# EAGLE board Mk4 Final Panel 8up 2x4 (EAGLE 9.0.1), part 2 of 23 (continued)
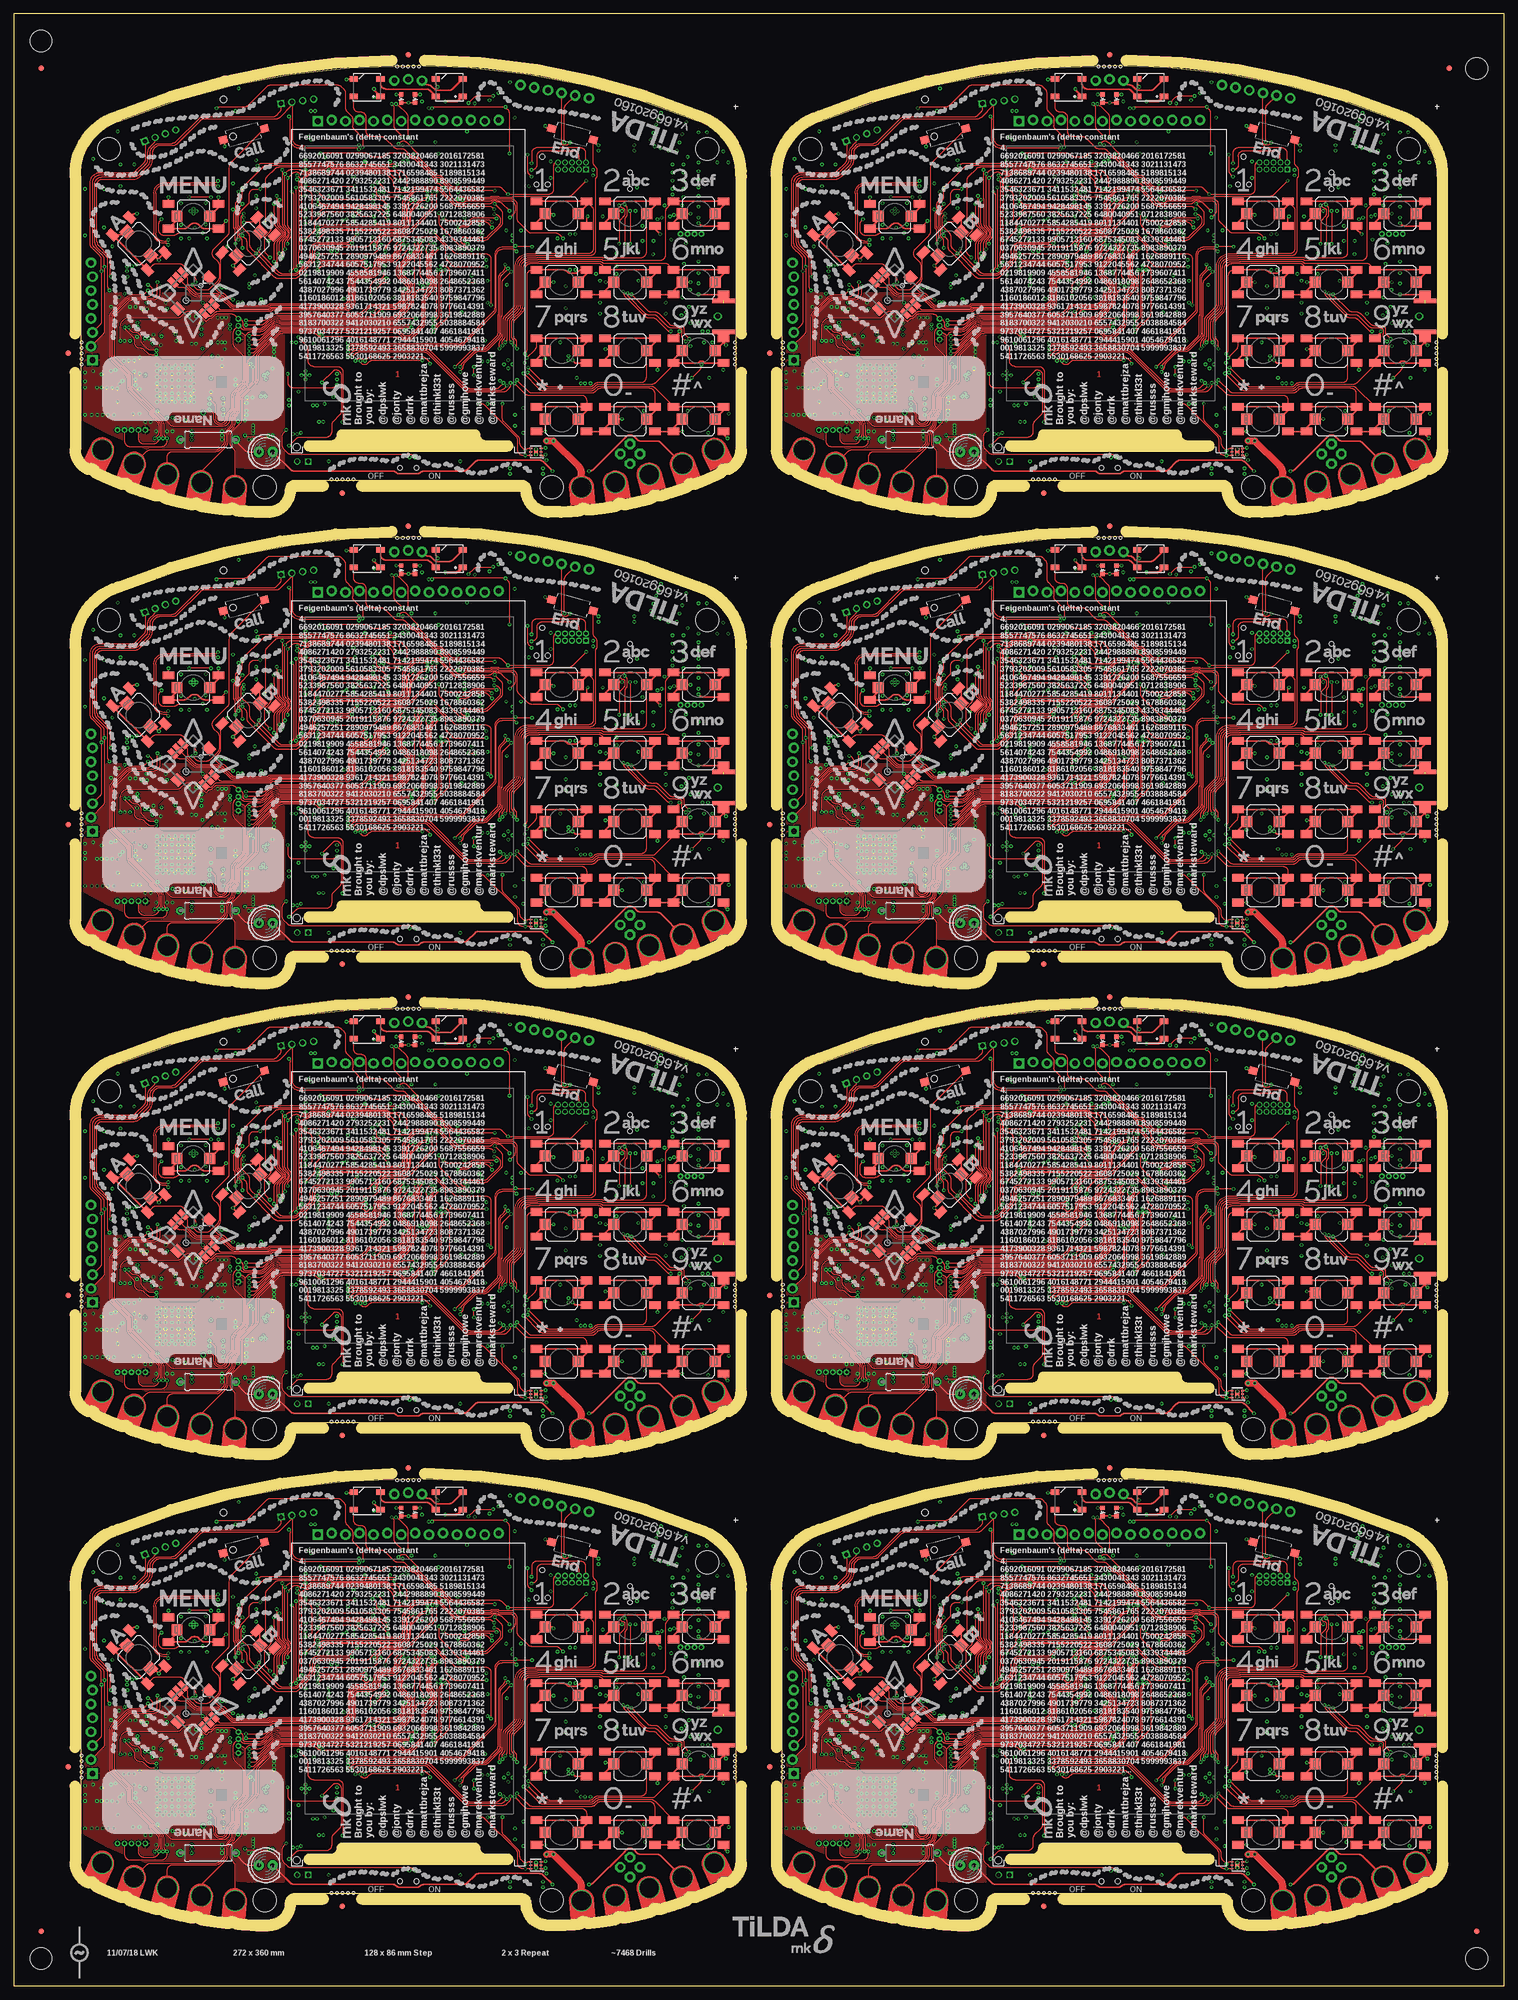
[diagram p0: board, top side]
## Placement (x,y rotation side) (continued)
FID20  FIDUCIAL1X2.5-STOP  [FIDUCIAL-1X2.5-STOP]  200,180.5 180 bottom
FID21  FIDUCIAL1X2.5-STOP  [FIDUCIAL-1X2.5-STOP]  200,180.5 180 top
FID22  FIDUCIAL1X2.5-STOP  [FIDUCIAL-1X2.5-STOP]  188,100.5 270 bottom
FID23  FIDUCIAL1X2.5-STOP  [FIDUCIAL-1X2.5-STOP]  138,126 180 bottom
FID24  FIDUCIAL1X2.5-STOP  [FIDUCIAL-1X2.5-STOP]  138,126 180 top
FID25  FIDUCIAL1X2.5-STOP  [FIDUCIAL-1X2.5-STOP]  60,186.5 270 top
FID26  FIDUCIAL1X2.5-STOP  [FIDUCIAL-1X2.5-STOP]  72,266.5 180 bottom
FID27  FIDUCIAL1X2.5-STOP  [FIDUCIAL-1X2.5-STOP]  72,266.5 180 top
FID28  FIDUCIAL1X2.5-STOP  [FIDUCIAL-1X2.5-STOP]  60,186.5 270 bottom
FID29  FIDUCIAL1X2.5-STOP  [FIDUCIAL-1X2.5-STOP]  10,212 180 bottom
FID30  FIDUCIAL1X2.5-STOP  [FIDUCIAL-1X2.5-STOP]  10,212 180 top
FID31  FIDUCIAL1X2.5-STOP  [FIDUCIAL-1X2.5-STOP]  188,186.5 270 top
FID32  FIDUCIAL1X2.5-STOP  [FIDUCIAL-1X2.5-STOP]  200,266.5 180 bottom
FID33  FIDUCIAL1X2.5-STOP  [FIDUCIAL-1X2.5-STOP]  200,266.5 180 top
FID34  FIDUCIAL1X2.5-STOP  [FIDUCIAL-1X2.5-STOP]  188,186.5 270 bottom
FID35  FIDUCIAL1X2.5-STOP  [FIDUCIAL-1X2.5-STOP]  138,212 180 bottom
FID36  FIDUCIAL1X2.5-STOP  [FIDUCIAL-1X2.5-STOP]  138,212 180 top
FID37  FIDUCIAL1X2.5-STOP  [FIDUCIAL-1X2.5-STOP]  60,272.5 270 top
FID38  FIDUCIAL1X2.5-STOP  [FIDUCIAL-1X2.5-STOP]  72,352.5 180 bottom
FID39  FIDUCIAL1X2.5-STOP  [FIDUCIAL-1X2.5-STOP]  72,352.5 180 top
FID40  FIDUCIAL1X2.5-STOP  [FIDUCIAL-1X2.5-STOP]  60,272.5 270 bottom
FID41  FIDUCIAL1X2.5-STOP  [FIDUCIAL-1X2.5-STOP]  10,298 180 bottom
FID42  FIDUCIAL1X2.5-STOP  [FIDUCIAL-1X2.5-STOP]  10,298 180 top
FID43  FIDUCIAL1X2.5-STOP  [FIDUCIAL-1X2.5-STOP]  188,272.5 270 top
FID44  FIDUCIAL1X2.5-STOP  [FIDUCIAL-1X2.5-STOP]  200,352.5 180 bottom
FID45  FIDUCIAL1X2.5-STOP  [FIDUCIAL-1X2.5-STOP]  200,352.5 180 top
FID46  FIDUCIAL1X2.5-STOP  [FIDUCIAL-1X2.5-STOP]  188,272.5 270 bottom
FID47  FIDUCIAL1X2.5-STOP  [FIDUCIAL-1X2.5-STOP]  138,298 180 bottom
FID48  FIDUCIAL1X2.5-STOP  [FIDUCIAL-1X2.5-STOP]  138,298 180 top
FL1  DEA202450BT-1294C1-H  [DEA202450BT]  23,37.75 270 bottom
FL2  DEA202450BT-1294C1-H  [DEA202450BT]  151,37.75 270 bottom
FL3  DEA202450BT-1294C1-H  [DEA202450BT]  23,123.75 270 bottom
FL4  DEA202450BT-1294C1-H  [DEA202450BT]  151,123.75 270 bottom
FL5  DEA202450BT-1294C1-H  [DEA202450BT]  23,209.75 270 bottom
FL6  DEA202450BT-1294C1-H  [DEA202450BT]  151,209.75 270 bottom
FL7  DEA202450BT-1294C1-H  [DEA202450BT]  23,295.75 270 bottom
FL8  DEA202450BT-1294C1-H  [DEA202450BT]  151,295.75 270 bottom
IC1  MSP432E401  [QFP128-0.4]  72,65 0 bottom
IC2  AS4C4M16SA-7TCN  [TSOP54-400]  48.7,64.7 270 bottom
IC3  HDC2080  [SHT2X]  94.1,19 90 bottom
IC4  TCA9555RGER  [QFN-24]  90.25,38 270 bottom
IC5  SIM800C24 S2-10686-Z1L09  [SIM800C]  112.5,53 180 bottom
IC6  MX25R8035FM1IH1  [SO08-EIAJ]  84.7,55.15 270 bottom
IC7  TPD3E001DRL  [DRL-5]  88.25,85.5 90 bottom
IC8  BQ25601  [QFN-24]  53.25,36 270 bottom
IC9  TPS62822DLCR  [VSON-HR]  43.7,26.1 180 bottom
IC10  TPD3E001DRL  [DRL-5]  121.25,42.4 270 bottom
IC11  TLV9002IDGK  [VSSOP8]  93,66 180 bottom
IC12  SN74HC4066D  [SO14]  103,66.5 0 bottom
IC13  TPA2006D1  [VSON-8]  32.8,65.95 270 bottom
IC14  MX25R1635FM1IL0  [SO08-EIAJ]  25.75,52.25 90 bottom
IC15  CC3120R  [VQFN-64]  29.5,34.5 0 bottom
IC16  TMP102  [SOT563]  87,33 270 bottom
IC17  OPT3001  [USON-6]  95.3,22 180 top
IC18  DRV5055  [SOT23-3]  100.25,21.25 180 bottom
IC19  AS4C4M16SA-7TCN  [TSOP54-400]  176.7,64.7 270 bottom
IC20  MSP432E401  [QFP128-0.4]  200,65 0 bottom
IC21  SIM800C24 S2-10686-Z1L09  [SIM800C]  240.5,53 180 bottom
IC22  MX25R8035FM1IH1  [SO08-EIAJ]  212.7,55.15 270 bottom
IC23  TPD3E001DRL  [DRL-5]  216.25,85.5 90 bottom
IC24  BQ25601  [QFN-24]  181.25,36 270 bottom
IC25  TPD3E001DRL  [DRL-5]  249.25,42.4 270 bottom
IC26  TLV9002IDGK  [VSSOP8]  221,66 180 bottom
IC27  SN74HC4066D  [SO14]  231,66.5 0 bottom
IC28  TPA2006D1  [VSON-8]  160.8,65.95 270 bottom
IC29  CC3120R  [VQFN-64]  157.5,34.5 0 bottom
IC30  MX25R1635FM1IL0  [SO08-EIAJ]  153.75,52.25 90 bottom
IC31  TCA9555RGER  [QFN-24]  218.25,38 270 bottom
IC32  TMP102  [SOT563]  215,33 270 bottom
IC33  TPS62822DLCR  [VSON-HR]  171.7,26.1 180 bottom
IC34  OPT3001  [USON-6]  223.3,22 180 top
IC35  HDC2080  [SHT2X]  222.1,19 90 bottom
IC36  DRV5055  [SOT23-3]  228.25,21.25 180 bottom
IC37  AS4C4M16SA-7TCN  [TSOP54-400]  48.7,150.7 270 bottom
IC38  MSP432E401  [QFP128-0.4]  72,151 0 bottom
IC39  SIM800C24 S2-10686-Z1L09  [SIM800C]  112.5,139 180 bottom
IC40  MX25R8035FM1IH1  [SO08-EIAJ]  84.7,141.15 270 bottom
IC41  TPD3E001DRL  [DRL-5]  88.25,171.5 90 bottom
IC42  BQ25601  [QFN-24]  53.25,122 270 bottom
IC43  TPD3E001DRL  [DRL-5]  121.25,128.4 270 bottom
IC44  TLV9002IDGK  [VSSOP8]  93,152 180 bottom
IC45  SN74HC4066D  [SO14]  103,152.5 0 bottom
IC46  TPA2006D1  [VSON-8]  32.8,151.95 270 bottom
IC47  CC3120R  [VQFN-64]  29.5,120.5 0 bottom
IC48  MX25R1635FM1IL0  [SO08-EIAJ]  25.75,138.25 90 bottom
IC49  TCA9555RGER  [QFN-24]  90.25,124 270 bottom
IC50  TMP102  [SOT563]  87,119 270 bottom
IC51  TPS62822DLCR  [VSON-HR]  43.7,112.1 180 bottom
IC52  OPT3001  [USON-6]  95.3,108 180 top
IC53  HDC2080  [SHT2X]  94.1,105 90 bottom
IC54  DRV5055  [SOT23-3]  100.25,107.25 180 bottom
IC55  AS4C4M16SA-7TCN  [TSOP54-400]  176.7,150.7 270 bottom
IC56  MSP432E401  [QFP128-0.4]  200,151 0 bottom
IC57  SIM800C24 S2-10686-Z1L09  [SIM800C]  240.5,139 180 bottom
IC58  MX25R8035FM1IH1  [SO08-EIAJ]  212.7,141.15 270 bottom
IC59  TPD3E001DRL  [DRL-5]  216.25,171.5 90 bottom
IC60  BQ25601  [QFN-24]  181.25,122 270 bottom
IC61  TPD3E001DRL  [DRL-5]  249.25,128.4 270 bottom
IC62  TLV9002IDGK  [VSSOP8]  221,152 180 bottom
IC63  SN74HC4066D  [SO14]  231,152.5 0 bottom
IC64  TPA2006D1  [VSON-8]  160.8,151.95 270 bottom
IC65  CC3120R  [VQFN-64]  157.5,120.5 0 bottom
IC66  MX25R1635FM1IL0  [SO08-EIAJ]  153.75,138.25 90 bottom
IC67  TCA9555RGER  [QFN-24]  218.25,124 270 bottom
IC68  TMP102  [SOT563]  215,119 270 bottom
IC69  TPS62822DLCR  [VSON-HR]  171.7,112.1 180 bottom
IC70  OPT3001  [USON-6]  223.3,108 180 top
IC71  HDC2080  [SHT2X]  222.1,105 90 bottom
IC72  DRV5055  [SOT23-3]  228.25,107.25 180 bottom
IC73  AS4C4M16SA-7TCN  [TSOP54-400]  48.7,236.7 270 bottom
IC74  MSP432E401  [QFP128-0.4]  72,237 0 bottom
IC75  SIM800C24 S2-10686-Z1L09  [SIM800C]  112.5,225 180 bottom
IC76  MX25R8035FM1IH1  [SO08-EIAJ]  84.7,227.15 270 bottom
IC77  TPD3E001DRL  [DRL-5]  88.25,257.5 90 bottom
IC78  BQ25601  [QFN-24]  53.25,208 270 bottom
IC79  TPD3E001DRL  [DRL-5]  121.25,214.4 270 bottom
IC80  TLV9002IDGK  [VSSOP8]  93,238 180 bottom
IC81  SN74HC4066D  [SO14]  103,238.5 0 bottom
IC82  TPA2006D1  [VSON-8]  32.8,237.95 270 bottom
IC83  CC3120R  [VQFN-64]  29.5,206.5 0 bottom
IC84  MX25R1635FM1IL0  [SO08-EIAJ]  25.75,224.25 90 bottom
IC85  TCA9555RGER  [QFN-24]  90.25,210 270 bottom
IC86  TMP102  [SOT563]  87,205 270 bottom
IC87  TPS62822DLCR  [VSON-HR]  43.7,198.1 180 bottom
IC88  OPT3001  [USON-6]  95.3,194 180 top
IC89  HDC2080  [SHT2X]  94.1,191 90 bottom
IC90  DRV5055  [SOT23-3]  100.25,193.25 180 bottom
IC91  AS4C4M16SA-7TCN  [TSOP54-400]  176.7,236.7 270 bottom
IC92  MSP432E401  [QFP128-0.4]  200,237 0 bottom
IC93  SIM800C24 S2-10686-Z1L09  [SIM800C]  240.5,225 180 bottom
IC94  MX25R8035FM1IH1  [SO08-EIAJ]  212.7,227.15 270 bottom
IC95  TPD3E001DRL  [DRL-5]  216.25,257.5 90 bottom
IC96  BQ25601  [QFN-24]  181.25,208 270 bottom
IC97  TPD3E001DRL  [DRL-5]  249.25,214.4 270 bottom
IC98  TLV9002IDGK  [VSSOP8]  221,238 180 bottom
IC99  SN74HC4066D  [SO14]  231,238.5 0 bottom
IC100  TPA2006D1  [VSON-8]  160.8,237.95 270 bottom
IC101  CC3120R  [VQFN-64]  157.5,206.5 0 bottom
IC102  MX25R1635FM1IL0  [SO08-EIAJ]  153.75,224.25 90 bottom
IC103  TCA9555RGER  [QFN-24]  218.25,210 270 bottom
IC104  TMP102  [SOT563]  215,205 270 bottom
IC105  TPS62822DLCR  [VSON-HR]  171.7,198.1 180 bottom
IC106  OPT3001  [USON-6]  223.3,194 180 top
IC107  HDC2080  [SHT2X]  222.1,191 90 bottom
IC108  DRV5055  [SOT23-3]  228.25,193.25 180 bottom
IC109  AS4C4M16SA-7TCN  [TSOP54-400]  48.7,322.7 270 bottom
IC110  MSP432E401  [QFP128-0.4]  72,323 0 bottom
IC111  SIM800C24 S2-10686-Z1L09  [SIM800C]  112.5,311 180 bottom
IC112  MX25R8035FM1IH1  [SO08-EIAJ]  84.7,313.15 270 bottom
IC113  TPD3E001DRL  [DRL-5]  88.25,343.5 90 bottom
IC114  BQ25601  [QFN-24]  53.25,294 270 bottom
IC115  TPD3E001DRL  [DRL-5]  121.25,300.4 270 bottom
IC116  TLV9002IDGK  [VSSOP8]  93,324 180 bottom
IC117  SN74HC4066D  [SO14]  103,324.5 0 bottom
IC118  TPA2006D1  [VSON-8]  32.8,323.95 270 bottom
IC119  CC3120R  [VQFN-64]  29.5,292.5 0 bottom
IC120  MX25R1635FM1IL0  [SO08-EIAJ]  25.75,310.25 90 bottom
IC121  TCA9555RGER  [QFN-24]  90.25,296 270 bottom
IC122  TMP102  [SOT563]  87,291 270 bottom
IC123  TPS62822DLCR  [VSON-HR]  43.7,284.1 180 bottom
IC124  OPT3001  [USON-6]  95.3,280 180 top
IC125  HDC2080  [SHT2X]  94.1,277 90 bottom
IC126  DRV5055  [SOT23-3]  100.25,279.25 180 bottom
IC127  AS4C4M16SA-7TCN  [TSOP54-400]  176.7,322.7 270 bottom
IC128  MSP432E401  [QFP128-0.4]  200,323 0 bottom
IC129  SIM800C24 S2-10686-Z1L09  [SIM800C]  240.5,311 180 bottom
IC130  MX25R8035FM1IH1  [SO08-EIAJ]  212.7,313.15 270 bottom
IC131  TPD3E001DRL  [DRL-5]  216.25,343.5 90 bottom
IC132  BQ25601  [QFN-24]  181.25,294 270 bottom
IC133  TPD3E001DRL  [DRL-5]  249.25,300.4 270 bottom
IC134  TLV9002IDGK  [VSSOP8]  221,324 180 bottom
IC135  SN74HC4066D  [SO14]  231,324.5 0 bottom
IC136  TPA2006D1  [VSON-8]  160.8,323.95 270 bottom
IC137  CC3120R  [VQFN-64]  157.5,292.5 0 bottom
IC138  MX25R1635FM1IL0  [SO08-EIAJ]  153.75,310.25 90 bottom
IC139  TCA9555RGER  [QFN-24]  218.25,296 270 bottom
IC140  TMP102  [SOT563]  215,291 270 bottom
IC141  TPS62822DLCR  [VSON-HR]  171.7,284.1 180 bottom
IC142  OPT3001  [USON-6]  223.3,280 180 top
IC143  HDC2080  [SHT2X]  222.1,277 90 bottom
IC144  DRV5055  [SOT23-3]  228.25,279.25 180 bottom
J1  78723-1001  [MSIM-MOLEX-LWK]  129.5,34.25 180 bottom
J2  ER-CON50HT-1  [FH12-50S-0.5SH]  72,45.5 0 bottom
J3  2x5 1.27mm  [PINHEAD_2X05_127]  101.9,74.2 0 bottom
J4  GSM-COIL-ANT  [GSM-ANTENNA]  128.5,46.75 0 bottom
J5  S2B-PH-SM4-TB(LF)(SN)  [JST-2-SMD]  100.8,27.8 90 bottom
J6  ER-CON50HT-1  [FH12-50S-0.5SH]  200,45.5 0 bottom
J7  SMA-142-0711-821/826  [J502-ND-142-0711-821/826-LWK1]  131.8,46.75 0 bottom
J8  H4P-SMD-2.0  [HW4-2.0-SWD-COMBINED]  51.75,86 172 bottom
J9  PJ-393-A  [PJ-393-A]  37.75,88.6 256 bottom
J10  H4P-SMD-2.0  [HW4-2.0-SWD-COMBINED]  26.75,79.75 160 bottom
J11  M02X2  [2X2]  112.5,21.65 315 bottom
J12  S2B-PH-SM4-TB(LF)(SN)  [JST-2-SMD]  228.8,27.8 90 bottom
J13  2x5 1.27mm  [PINHEAD_2X05_127]  229.9,74.2 0 bottom
J14  78723-1001  [MSIM-MOLEX-LWK]  257.5,34.25 180 bottom
J15  GSM-COIL-ANT  [GSM-ANTENNA]  256.5,46.75 0 bottom
J16  H4P-SMD-2.0  [HW4-2.0-SWD-COMBINED]  154.75,79.75 160 bottom
J17  PJ-393-A  [PJ-393-A]  165.75,88.6 256 bottom
J18  H4P-SMD-2.0  [HW4-2.0-SWD-COMBINED]  179.75,86 172 bottom
J19  SMA-142-0711-821/826  [J502-ND-142-0711-821/826-LWK1]  259.8,46.75 0 bottom
J20  M02X2  [2X2]  240.5,21.65 315 bottom
J21  ER-CON50HT-1  [FH12-50S-0.5SH]  72,131.5 0 bottom
J22  S2B-PH-SM4-TB(LF)(SN)  [JST-2-SMD]  100.8,113.8 90 bottom
J23  2x5 1.27mm  [PINHEAD_2X05_127]  101.9,160.2 0 bottom
J24  78723-1001  [MSIM-MOLEX-LWK]  129.5,120.25 180 bottom
J25  GSM-COIL-ANT  [GSM-ANTENNA]  128.5,132.75 0 bottom
J26  H4P-SMD-2.0  [HW4-2.0-SWD-COMBINED]  26.75,165.75 160 bottom
J27  PJ-393-A  [PJ-393-A]  37.75,174.6 256 bottom
J28  H4P-SMD-2.0  [HW4-2.0-SWD-COMBINED]  51.75,172 172 bottom
J29  SMA-142-0711-821/826  [J502-ND-142-0711-821/826-LWK1]  131.8,132.75 0 bottom
J30  M02X2  [2X2]  112.5,107.65 315 bottom
J31  ER-CON50HT-1  [FH12-50S-0.5SH]  200,131.5 0 bottom
J32  S2B-PH-SM4-TB(LF)(SN)  [JST-2-SMD]  228.8,113.8 90 bottom
J33  2x5 1.27mm  [PINHEAD_2X05_127]  229.9,160.2 0 bottom
J34  78723-1001  [MSIM-MOLEX-LWK]  257.5,120.25 180 bottom
J35  GSM-COIL-ANT  [GSM-ANTENNA]  256.5,132.75 0 bottom
J36  H4P-SMD-2.0  [HW4-2.0-SWD-COMBINED]  154.75,165.75 160 bottom
J37  PJ-393-A  [PJ-393-A]  165.75,174.6 256 bottom
J38  H4P-SMD-2.0  [HW4-2.0-SWD-COMBINED]  179.75,172 172 bottom
J39  SMA-142-0711-821/826  [J502-ND-142-0711-821/826-LWK1]  259.8,132.75 0 bottom
J40  M02X2  [2X2]  240.5,107.65 315 bottom
J41  ER-CON50HT-1  [FH12-50S-0.5SH]  72,217.5 0 bottom
J42  S2B-PH-SM4-TB(LF)(SN)  [JST-2-SMD]  100.8,199.8 90 bottom
J43  2x5 1.27mm  [PINHEAD_2X05_127]  101.9,246.2 0 bottom
J44  78723-1001  [MSIM-MOLEX-LWK]  129.5,206.25 180 bottom
J45  GSM-COIL-ANT  [GSM-ANTENNA]  128.5,218.75 0 bottom
J46  H4P-SMD-2.0  [HW4-2.0-SWD-COMBINED]  26.75,251.75 160 bottom
J47  PJ-393-A  [PJ-393-A]  37.75,260.6 256 bottom
J48  H4P-SMD-2.0  [HW4-2.0-SWD-COMBINED]  51.75,258 172 bottom
J49  SMA-142-0711-821/826  [J502-ND-142-0711-821/826-LWK1]  131.8,218.75 0 bottom
J50  M02X2  [2X2]  112.5,193.65 315 bottom
J51  ER-CON50HT-1  [FH12-50S-0.5SH]  200,217.5 0 bottom
J52  S2B-PH-SM4-TB(LF)(SN)  [JST-2-SMD]  228.8,199.8 90 bottom
J53  2x5 1.27mm  [PINHEAD_2X05_127]  229.9,246.2 0 bottom
J54  78723-1001  [MSIM-MOLEX-LWK]  257.5,206.25 180 bottom
J55  GSM-COIL-ANT  [GSM-ANTENNA]  256.5,218.75 0 bottom
J56  H4P-SMD-2.0  [HW4-2.0-SWD-COMBINED]  154.75,251.75 160 bottom
J57  PJ-393-A  [PJ-393-A]  165.75,260.6 256 bottom
J58  H4P-SMD-2.0  [HW4-2.0-SWD-COMBINED]  179.75,258 172 bottom
J59  SMA-142-0711-821/826  [J502-ND-142-0711-821/826-LWK1]  259.8,218.75 0 bottom
J60  M02X2  [2X2]  240.5,193.65 315 bottom
J61  ER-CON50HT-1  [FH12-50S-0.5SH]  72,303.5 0 bottom
J62  S2B-PH-SM4-TB(LF)(SN)  [JST-2-SMD]  100.8,285.8 90 bottom
J63  2x5 1.27mm  [PINHEAD_2X05_127]  101.9,332.2 0 bottom
J64  78723-1001  [MSIM-MOLEX-LWK]  129.5,292.25 180 bottom
J65  GSM-COIL-ANT  [GSM-ANTENNA]  128.5,304.75 0 bottom
J66  H4P-SMD-2.0  [HW4-2.0-SWD-COMBINED]  26.75,337.75 160 bottom
J67  PJ-393-A  [PJ-393-A]  37.75,346.6 256 bottom
J68  H4P-SMD-2.0  [HW4-2.0-SWD-COMBINED]  51.75,344 172 bottom
J69  SMA-142-0711-821/826  [J502-ND-142-0711-821/826-LWK1]  131.8,304.75 0 bottom
J70  M02X2  [2X2]  112.5,279.65 315 bottom
J71  ER-CON50HT-1  [FH12-50S-0.5SH]  200,303.5 0 bottom
J72  S2B-PH-SM4-TB(LF)(SN)  [JST-2-SMD]  228.8,285.8 90 bottom
J73  2x5 1.27mm  [PINHEAD_2X05_127]  229.9,332.2 0 bottom
J74  78723-1001  [MSIM-MOLEX-LWK]  257.5,292.25 180 bottom
J75  GSM-COIL-ANT  [GSM-ANTENNA]  256.5,304.75 0 bottom
J76  H4P-SMD-2.0  [HW4-2.0-SWD-COMBINED]  154.75,337.75 160 bottom
J77  PJ-393-A  [PJ-393-A]  165.75,346.6 256 bottom
J78  H4P-SMD-2.0  [HW4-2.0-SWD-COMBINED]  179.75,344 172 bottom
J79  SMA-142-0711-821/826  [J502-ND-142-0711-821/826-LWK1]  259.8,304.75 0 bottom
J80  M02X2  [2X2]  240.5,279.65 315 bottom
JP1  [1X05-1.27MM]  24.02,26 0 bottom
JP2  1x03  [1X03_LOCK]  69.46,89.9 180 bottom
JP3  1x02 2MM  [1X02_2MM]  53.75,20.25 0 bottom
JP4  TC2030-MCP-NL  [TC2030-MCP-NL]  96.45,75.9 270 bottom
JP5  [1X04-1.27MM]  41,42.5 90 bottom
JP6  [1X08_LOCK]  14.25,38.75 90 bottom
JP7  1x14  [1X14_LOCK]  55.49,82.5 180 bottom
JP8  [1X06]  92.5,89 191 bottom
JP9  1x04_1.27MM  [1X04-1.27MM]  125.5,61.8 0 bottom
JP10  TC2030-MCP-NL  [TC2030-MCP-NL]  224.45,75.9 270 bottom
JP11  1x03  [1X03_LOCK]  197.46,89.9 180 bottom
JP12  1x14  [1X14_LOCK]  183.49,82.5 180 bottom
JP13  1x02 2MM  [1X02_2MM]  181.75,20.25 0 bottom
JP14  1x04_1.27MM  [1X04-1.27MM]  253.5,61.8 0 bottom
JP15  [1X05-1.27MM]  152.02,26 0 bottom
JP16  [1X04-1.27MM]  169,42.5 90 bottom
JP17  [1X08_LOCK]  142.25,38.75 90 bottom
JP18  [1X06]  220.5,89 191 bottom
JP19  TC2030-MCP-NL  [TC2030-MCP-NL]  96.45,161.9 270 bottom
JP20  1x03  [1X03_LOCK]  69.46,175.9 180 bottom
JP21  1x14  [1X14_LOCK]  55.49,168.5 180 bottom
JP22  1x02 2MM  [1X02_2MM]  53.75,106.25 0 bottom
JP23  1x04_1.27MM  [1X04-1.27MM]  125.5,147.8 0 bottom
JP24  [1X05-1.27MM]  24.02,112 0 bottom
JP25  [1X04-1.27MM]  41,128.5 90 bottom
JP26  [1X08_LOCK]  14.25,124.75 90 bottom
JP27  [1X06]  92.5,175 191 bottom
JP28  TC2030-MCP-NL  [TC2030-MCP-NL]  224.45,161.9 270 bottom
JP29  1x03  [1X03_LOCK]  197.46,175.9 180 bottom
JP30  1x14  [1X14_LOCK]  183.49,168.5 180 bottom
JP31  1x02 2MM  [1X02_2MM]  181.75,106.25 0 bottom
JP32  1x04_1.27MM  [1X04-1.27MM]  253.5,147.8 0 bottom
JP33  [1X05-1.27MM]  152.02,112 0 bottom
JP34  [1X04-1.27MM]  169,128.5 90 bottom
JP35  [1X08_LOCK]  142.25,124.75 90 bottom
JP36  [1X06]  220.5,175 191 bottom
JP37  TC2030-MCP-NL  [TC2030-MCP-NL]  96.45,247.9 270 bottom
JP38  1x03  [1X03_LOCK]  69.46,261.9 180 bottom
JP39  1x14  [1X14_LOCK]  55.49,254.5 180 bottom
JP40  1x02 2MM  [1X02_2MM]  53.75,192.25 0 bottom
JP41  1x04_1.27MM  [1X04-1.27MM]  125.5,233.8 0 bottom
JP42  [1X05-1.27MM]  24.02,198 0 bottom
JP43  [1X04-1.27MM]  41,214.5 90 bottom
JP44  [1X08_LOCK]  14.25,210.75 90 bottom
JP45  [1X06]  92.5,261 191 bottom
JP46  TC2030-MCP-NL  [TC2030-MCP-NL]  224.45,247.9 270 bottom
JP47  1x03  [1X03_LOCK]  197.46,261.9 180 bottom
JP48  1x14  [1X14_LOCK]  183.49,254.5 180 bottom
JP49  1x02 2MM  [1X02_2MM]  181.75,192.25 0 bottom
JP50  1x04_1.27MM  [1X04-1.27MM]  253.5,233.8 0 bottom
JP51  [1X05-1.27MM]  152.02,198 0 bottom
JP52  [1X04-1.27MM]  169,214.5 90 bottom
JP53  [1X08_LOCK]  142.25,210.75 90 bottom
JP54  [1X06]  220.5,261 191 bottom
JP55  TC2030-MCP-NL  [TC2030-MCP-NL]  96.45,333.9 270 bottom
JP56  1x03  [1X03_LOCK]  69.46,347.9 180 bottom
JP57  1x14  [1X14_LOCK]  55.49,340.5 180 bottom
JP58  1x02 2MM  [1X02_2MM]  53.75,278.25 0 bottom
JP59  1x04_1.27MM  [1X04-1.27MM]  125.5,319.8 0 bottom
JP60  [1X05-1.27MM]  24.02,284 0 bottom
JP61  [1X04-1.27MM]  41,300.5 90 bottom
JP62  [1X08_LOCK]  14.25,296.75 90 bottom
JP63  [1X06]  92.5,347 191 bottom
JP64  TC2030-MCP-NL  [TC2030-MCP-NL]  224.45,333.9 270 bottom
JP65  1x03  [1X03_LOCK]  197.46,347.9 180 bottom
JP66  1x14  [1X14_LOCK]  183.49,340.5 180 bottom
JP67  1x02 2MM  [1X02_2MM]  181.75,278.25 0 bottom
JP68  1x04_1.27MM  [1X04-1.27MM]  253.5,319.8 0 bottom
JP69  [1X05-1.27MM]  152.02,284 0 bottom
JP70  [1X04-1.27MM]  169,300.5 90 bottom
JP71  [1X08_LOCK]  142.25,296.75 90 bottom
JP72  [1X06]  220.5,347 191 bottom
L1  SRN2512-2R2M  [1008]  48.25,31.75 270 bottom
L2  BLM18KG121TN1D  [WUERTH-0805]  78.5,84.75 0 bottom
L3  0402/0R/5%  [L0402]  124.5,49 270 bottom
L4  DFE201610E-R47M=P2  [0806]  47.5,27.15 90 bottom
L5  0402/0R/5%  [L0402]  122.75,78.5 110 bottom
L6  0402/0R/5%  [L0402]  16,35 0 bottom
L7  LQM2HPN2R2MG0L  [1008]  26.5,45.2 180 bottom
L8  LQM2HPN1R0MG0L  [1008]  29.5,45.5 270 bottom
L9  LQM2HPN2R2MG0L  [1008]  36,44 270 bottom
L10  BLM18KG121TN1D  [WUERTH-0805]  206.5,84.75 0 bottom
L11  DFE201610E-R47M=P2  [0806]  175.5,27.15 90 bottom
L12  SRN2512-2R2M  [1008]  176.25,31.75 270 bottom
L13  0402/0R/5%  [L0402]  252.5,49 270 bottom
L14  0402/0R/5%  [L0402]  250.75,78.5 110 bottom
L15  0402/0R/5%  [L0402]  144,35 0 bottom
L16  LQM2HPN2R2MG0L  [1008]  154.5,45.2 180 bottom
L17  LQM2HPN1R0MG0L  [1008]  157.5,45.5 270 bottom
L18  LQM2HPN2R2MG0L  [1008]  164,44 270 bottom
L19  BLM18KG121TN1D  [WUERTH-0805]  78.5,170.75 0 bottom
L20  DFE201610E-R47M=P2  [0806]  47.5,113.15 90 bottom
L21  SRN2512-2R2M  [1008]  48.25,117.75 270 bottom
L22  0402/0R/5%  [L0402]  124.5,135 270 bottom
L23  0402/0R/5%  [L0402]  122.75,164.5 110 bottom
L24  0402/0R/5%  [L0402]  16,121 0 bottom
L25  LQM2HPN2R2MG0L  [1008]  26.5,131.2 180 bottom
L26  LQM2HPN1R0MG0L  [1008]  29.5,131.5 270 bottom
L27  LQM2HPN2R2MG0L  [1008]  36,130 270 bottom
L28  BLM18KG121TN1D  [WUERTH-0805]  206.5,170.75 0 bottom
L29  DFE201610E-R47M=P2  [0806]  175.5,113.15 90 bottom
L30  SRN2512-2R2M  [1008]  176.25,117.75 270 bottom
L31  0402/0R/5%  [L0402]  252.5,135 270 bottom
L32  0402/0R/5%  [L0402]  250.75,164.5 110 bottom
L33  0402/0R/5%  [L0402]  144,121 0 bottom
L34  LQM2HPN2R2MG0L  [1008]  154.5,131.2 180 bottom
L35  LQM2HPN1R0MG0L  [1008]  157.5,131.5 270 bottom
L36  LQM2HPN2R2MG0L  [1008]  164,130 270 bottom
L37  BLM18KG121TN1D  [WUERTH-0805]  78.5,256.75 0 bottom
L38  DFE201610E-R47M=P2  [0806]  47.5,199.15 90 bottom
L39  SRN2512-2R2M  [1008]  48.25,203.75 270 bottom
L40  0402/0R/5%  [L0402]  124.5,221 270 bottom
L41  0402/0R/5%  [L0402]  122.75,250.5 110 bottom
L42  0402/0R/5%  [L0402]  16,207 0 bottom
L43  LQM2HPN2R2MG0L  [1008]  26.5,217.2 180 bottom
L44  LQM2HPN1R0MG0L  [1008]  29.5,217.5 270 bottom
L45  LQM2HPN2R2MG0L  [1008]  36,216 270 bottom
L46  BLM18KG121TN1D  [WUERTH-0805]  206.5,256.75 0 bottom
L47  DFE201610E-R47M=P2  [0806]  175.5,199.15 90 bottom
L48  SRN2512-2R2M  [1008]  176.25,203.75 270 bottom
L49  0402/0R/5%  [L0402]  252.5,221 270 bottom
L50  0402/0R/5%  [L0402]  250.75,250.5 110 bottom
L51  0402/0R/5%  [L0402]  144,207 0 bottom
L52  LQM2HPN2R2MG0L  [1008]  154.5,217.2 180 bottom
L53  LQM2HPN1R0MG0L  [1008]  157.5,217.5 270 bottom
L54  LQM2HPN2R2MG0L  [1008]  164,216 270 bottom
L55  BLM18KG121TN1D  [WUERTH-0805]  78.5,342.75 0 bottom
L56  DFE201610E-R47M=P2  [0806]  47.5,285.15 90 bottom
L57  SRN2512-2R2M  [1008]  48.25,289.75 270 bottom
L58  0402/0R/5%  [L0402]  124.5,307 270 bottom
L59  0402/0R/5%  [L0402]  122.75,336.5 110 bottom
L60  0402/0R/5%  [L0402]  16,293 0 bottom
L61  LQM2HPN2R2MG0L  [1008]  26.5,303.2 180 bottom
L62  LQM2HPN1R0MG0L  [1008]  29.5,303.5 270 bottom
L63  LQM2HPN2R2MG0L  [1008]  36,302 270 bottom
L64  BLM18KG121TN1D  [WUERTH-0805]  206.5,342.75 0 bottom
L65  DFE201610E-R47M=P2  [0806]  175.5,285.15 90 bottom
L66  SRN2512-2R2M  [1008]  176.25,289.75 270 bottom
L67  0402/0R/5%  [L0402]  252.5,307 270 bottom
L68  0402/0R/5%  [L0402]  250.75,336.5 110 bottom
L69  0402/0R/5%  [L0402]  144,293 0 bottom
L70  LQM2HPN2R2MG0L  [1008]  154.5,303.2 180 bottom
L71  LQM2HPN1R0MG0L  [1008]  157.5,303.5 270 bottom
L72  LQM2HPN2R2MG0L  [1008]  164,302 270 bottom
LAYERS1  LAYER_NUMBRS_4_SMALL  [LAYER_NUMBERS_4_SMALL]  69.5,35.5 0 top
LAYERS2  LAYER_NUMBRS_4_SMALL  [LAYER_NUMBERS_4_SMALL]  197.5,35.5 0 top
LAYERS3  LAYER_NUMBRS_4_SMALL  [LAYER_NUMBERS_4_SMALL]  69.5,121.5 0 top
LAYERS4  LAYER_NUMBRS_4_SMALL  [LAYER_NUMBERS_4_SMALL]  197.5,121.5 0 top
LAYERS5  LAYER_NUMBRS_4_SMALL  [LAYER_NUMBERS_4_SMALL]  69.5,207.5 0 top
LAYERS6  LAYER_NUMBRS_4_SMALL  [LAYER_NUMBERS_4_SMALL]  197.5,207.5 0 top
LAYERS7  LAYER_NUMBRS_4_SMALL  [LAYER_NUMBERS_4_SMALL]  69.5,293.5 0 top
LAYERS8  LAYER_NUMBRS_4_SMALL  [LAYER_NUMBERS_4_SMALL]  197.5,293.5 0 top
LCD  ER-TFT024-3  [ER-TFT024-3]  72,45.5 0 top
LCD1  ER-TFT024-3  [ER-TFT024-3]  200,45.5 0 top
LCD2  ER-TFT024-3  [ER-TFT024-3]  72,131.5 0 top
LCD3  ER-TFT024-3  [ER-TFT024-3]  200,131.5 0 top
LCD4  ER-TFT024-3  [ER-TFT024-3]  72,217.5 0 top
LCD5  ER-TFT024-3  [ER-TFT024-3]  200,217.5 0 top
LCD6  ER-TFT024-3  [ER-TFT024-3]  72,303.5 0 top
LCD7  ER-TFT024-3  [ER-TFT024-3]  200,303.5 0 top
LED1  WS2812B  [WS2812B]  64.5,88.5 180 top
LED2  WS2812B  [WS2812B]  79.5,88.5 180 top
LED3  0603 RED  [LED-0603-CORRECT]  73.27,86.5 90 top
LED4  0603 GREEN  [LED-0603-CORRECT]  70.73,86.5 90 top
LED5  LED 5MM  [LED5MM]  46,22 0 top
LED6  0603 RED  [LED-0603-CORRECT]  55.75,40.75 180 bottom
LED7  WS2812B  [WS2812B]  192.5,88.5 180 top
LED8  WS2812B  [WS2812B]  207.5,88.5 180 top
LED9  0603 RED  [LED-0603-CORRECT]  201.27,86.5 90 top
LED10  0603 GREEN  [LED-0603-CORRECT]  198.73,86.5 90 top
LED11  LED 5MM  [LED5MM]  174,22 0 top
LED12  0603 RED  [LED-0603-CORRECT]  183.75,40.75 180 bottom
LED13  WS2812B  [WS2812B]  64.5,174.5 180 top
LED14  WS2812B  [WS2812B]  79.5,174.5 180 top
LED15  0603 RED  [LED-0603-CORRECT]  73.27,172.5 90 top
LED16  0603 GREEN  [LED-0603-CORRECT]  70.73,172.5 90 top
LED17  LED 5MM  [LED5MM]  46,108 0 top
LED18  0603 RED  [LED-0603-CORRECT]  55.75,126.75 180 bottom
LED19  WS2812B  [WS2812B]  192.5,174.5 180 top
LED20  WS2812B  [WS2812B]  207.5,174.5 180 top
LED21  0603 RED  [LED-0603-CORRECT]  201.27,172.5 90 top
LED22  0603 GREEN  [LED-0603-CORRECT]  198.73,172.5 90 top
LED23  LED 5MM  [LED5MM]  174,108 0 top
LED24  0603 RED  [LED-0603-CORRECT]  183.75,126.75 180 bottom
LED25  WS2812B  [WS2812B]  64.5,260.5 180 top
LED26  WS2812B  [WS2812B]  79.5,260.5 180 top
LED27  0603 RED  [LED-0603-CORRECT]  73.27,258.5 90 top
LED28  0603 GREEN  [LED-0603-CORRECT]  70.73,258.5 90 top
LED29  LED 5MM  [LED5MM]  46,194 0 top
LED30  0603 RED  [LED-0603-CORRECT]  55.75,212.75 180 bottom
LED31  WS2812B  [WS2812B]  192.5,260.5 180 top
LED32  WS2812B  [WS2812B]  207.5,260.5 180 top
LED33  0603 RED  [LED-0603-CORRECT]  201.27,258.5 90 top
LED34  0603 GREEN  [LED-0603-CORRECT]  198.73,258.5 90 top
LED35  LED 5MM  [LED5MM]  174,194 0 top
LED36  0603 RED  [LED-0603-CORRECT]  183.75,212.75 180 bottom
LED37  WS2812B  [WS2812B]  64.5,346.5 180 top
LED38  WS2812B  [WS2812B]  79.5,346.5 180 top
LED39  0603 RED  [LED-0603-CORRECT]  73.27,344.5 90 top
LED40  0603 GREEN  [LED-0603-CORRECT]  70.73,344.5 90 top
LED41  LED 5MM  [LED5MM]  46,280 0 top
LED42  0603 RED  [LED-0603-CORRECT]  55.75,298.75 180 bottom
LED43  WS2812B  [WS2812B]  192.5,346.5 180 top
LED44  WS2812B  [WS2812B]  207.5,346.5 180 top
LED45  0603 RED  [LED-0603-CORRECT]  201.27,344.5 90 top
LED46  0603 GREEN  [LED-0603-CORRECT]  198.73,344.5 90 top
LED47  LED 5MM  [LED5MM]  174,280 0 top